# KiCad board Batch 1.kicad_pcb (continued)
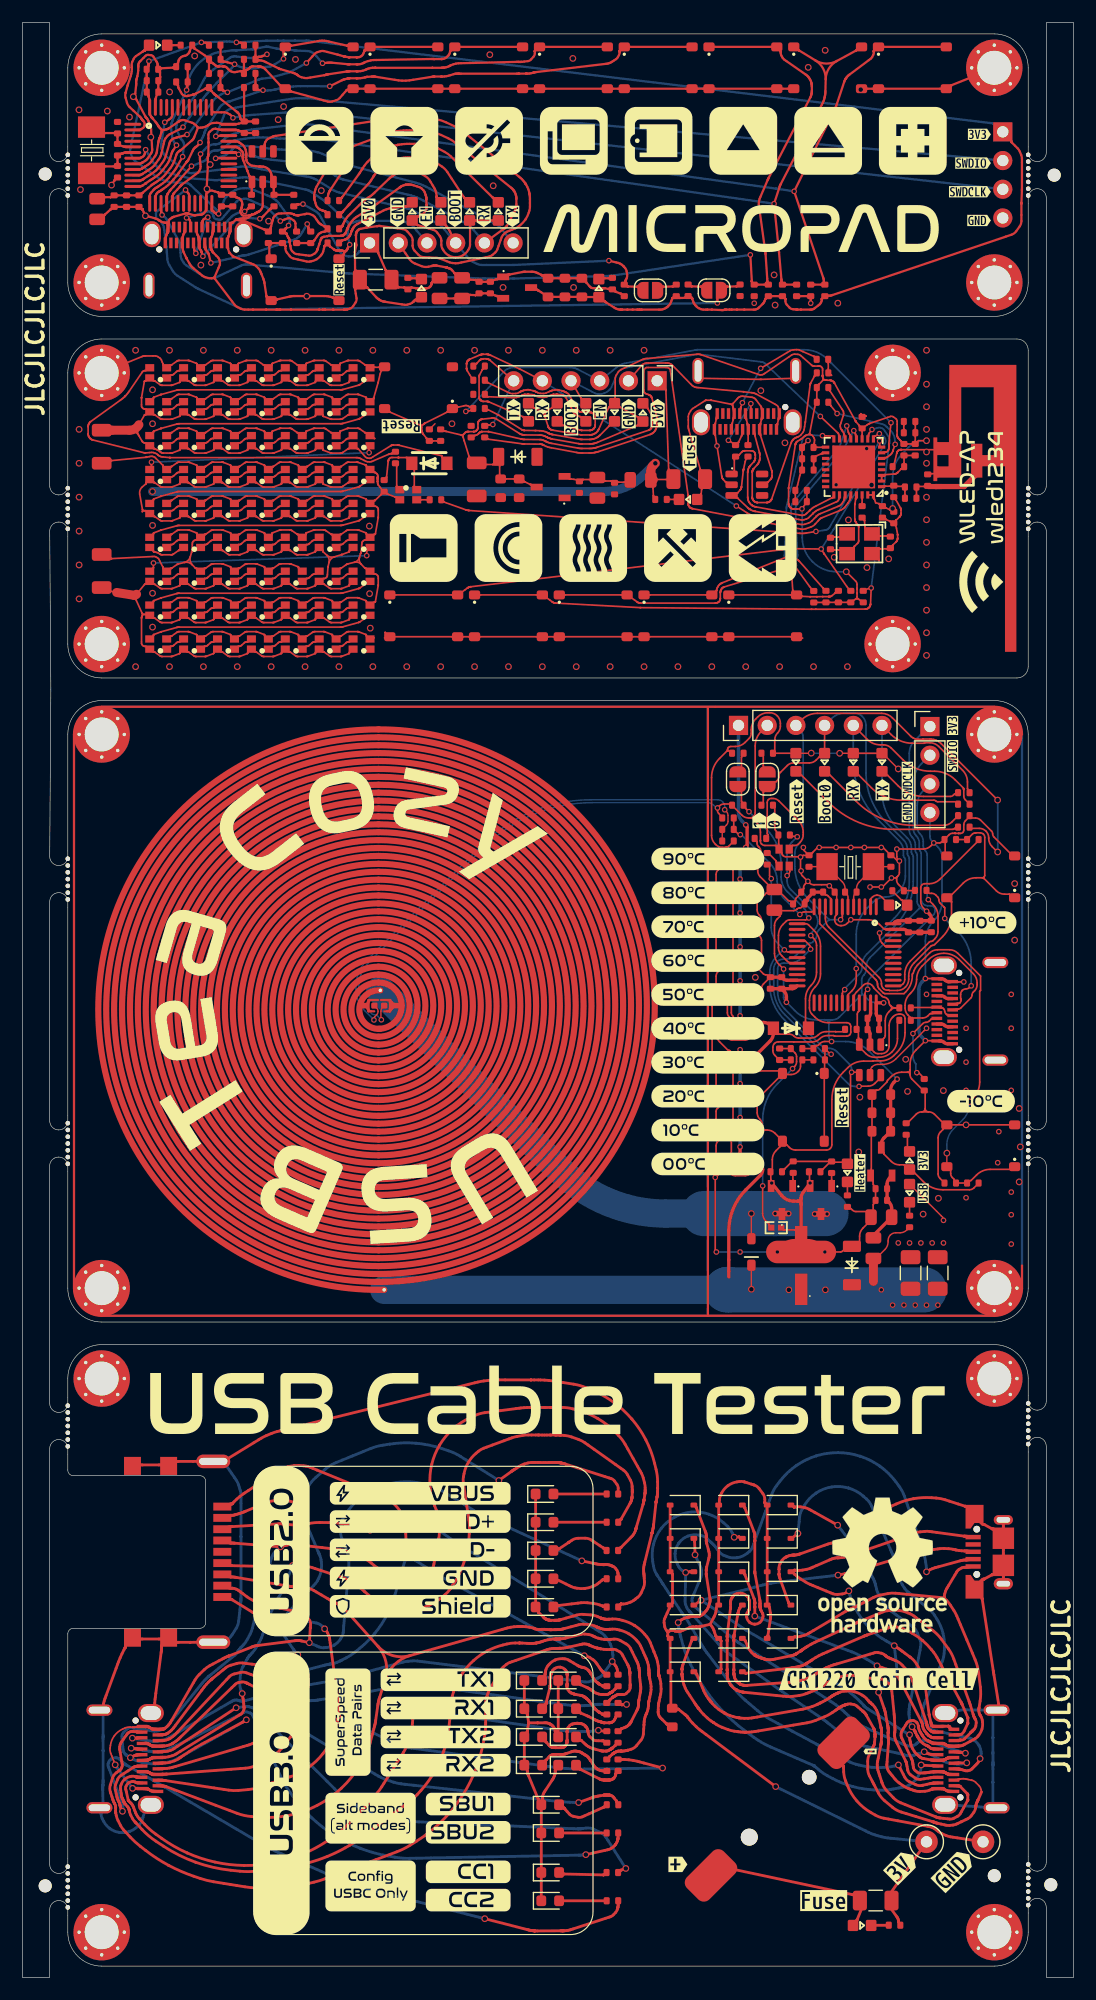
[diagram p0: board, top side]
## Routing (per net, layer and track width the routed paths; a pad name or vN(x,y) marks a point on that pad's centre or on a via; arc(x,y) is an arc through that point) (continued)
Net-(D25-K): length 43.4
  Top w0.25: v1(79.52,18.8) 79.53,18.8 arc(79.54,18.8) 79.55,18.8 79.56,18.79 arc(79.59,18.79) 79.62,18.78 79.67,18.78 arc(79.69,18.77) 79.72,18.77 79.8,18.77 80.52,18.73 arc(80.53,18.73) 80.54,18.73 arc(80.55,18.73) 80.56,18.73 80.61,18.73 arc(80.67,18.73) 80.74,18.73 J12.A5 ; v1(58.02,31.41) 58.12,31.51 arc(58.22,31.59) 58.32,31.65 58.55,31.77 arc(58.66,31.82) 58.78,31.86 59.07,31.91 arc(59.11,31.92) 59.15,31.92 59.23,31.93 arc(59.27,31.93) 59.31,31.93 59.67,31.93 arc(59.7,31.93) 59.72,31.94 59.78,31.94 arc(59.81,31.95) 59.83,31.96 59.95,31.99 arc(60.01,32.01) 60.06,32.04 60.15,32.1 arc(60.2,32.13) 60.24,32.17 60.51,32.46 arc(60.54,32.5) 60.57,32.55 60.63,32.64 arc(60.66,32.69) 60.68,32.75 60.82,33.17 arc(60.83,33.22) 60.84,33.27 60.85,33.36 arc(60.85,33.41) 60.85,33.46 60.82,33.6 60.52,35.55 60.51,35.6 arc(60.51,35.61) 60.51,35.63 60.51,35.66 arc(60.51,35.68) 60.51,35.69 60.51,35.99 arc(60.51,36.01) 60.51,36.03 arc(60.51,36.05) 60.51,36.07 60.51,36.07 arc(60.51,36.09) 60.51,36.12 60.51,36.12 arc(60.51,36.14) 60.52,36.16 60.52,36.19 arc(60.52,36.21) 60.52,36.22 60.53,36.25 arc(60.53,36.26) 60.53,36.27 60.54,36.32 60.75,37.18 arc(60.77,37.26) 60.77,37.34 60.77,37.5 arc(60.76,37.57) 60.75,37.65 60.53,38.47 arc(60.52,38.49) 60.52,38.52 60.51,38.58 arc(60.51,38.6) 60.51,38.63 60.51,38.94 arc(60.51,38.96) 60.51,38.99 60.51,39.01 arc(60.51,39.01) 60.51,39.02 60.51,39.07 arc(60.51,39.12) 60.51,39.17 60.49,39.26 arc(60.48,39.31) 60.47,39.36 60.42,39.49 59.62,41.57 arc(59.62,41.58) 59.62,41.58 59.62,41.58
  Bottom w0.25: v1(79.52,18.8) 79.52,18.62 arc(79.51,18.45) 79.46,18.28 79.4,18.11 arc(79.26,17.8) 79.06,17.51 arc(78.81,17.26) 78.52,17.06 78.37,16.97 arc(78.21,16.9) 78.04,16.85 76.8,16.63 arc(76.32,16.57) 75.84,16.57 75.36,16.59 arc(74.4,16.69) 73.46,16.89 arc(72.55,17.2) 71.67,17.61 71.25,17.84 arc(70.84,18.09) 70.46,18.38 70.08,18.71 arc(70.07,18.72) 70.07,18.72 arc(70.07,18.72) 70.06,18.72 70.05,18.73 arc(70.05,18.73) 70.05,18.73 66.21,20.39 arc(65.44,20.78) 64.71,21.25 64.01,21.76 arc(62.68,22.86) 61.47,24.1 arc(60.41,25.47) 59.52,26.95 59.11,27.72 arc(58.74,28.5) 58.47,29.32 58.23,30.23 58.19,30.34 arc(58.16,30.48) 58.13,30.63 58.08,30.93 arc(58.05,31.07) 58.04,31.22 v1(58.02,31.41)
Net-(D26-K): length 61.2
  Top w0.25: 83.45,41.69 83.45,41.69 arc(83.44,41.69) 83.44,41.69 83.43,41.69 arc(83.42,41.69) 83.42,41.7 arc(83.41,41.7) 83.41,41.7 81.65,42.27 arc(81.26,42.37) 80.86,42.42 80.45,42.45 arc(79.65,42.46) 78.85,42.37 arc(78.07,42.18) 77.31,41.89 76.94,41.73 arc(76.59,41.54) 76.26,41.31 75.3,40.56 73.28,38.97 72.98,38.74 arc(72.88,38.67) 72.77,38.62 72.53,38.53 arc(72.41,38.5) 72.28,38.49 72.01,38.49 arc(71.89,38.48) 71.78,38.47 71.54,38.42 arc(71.43,38.4) 71.31,38.36 68.82,37.48 arc(68.79,37.48) 68.77,37.47 arc(68.74,37.46) 68.72,37.45 68.63,37.42 arc(68.58,37.41) 68.54,37.4 68.44,37.39 arc(68.39,37.38) 68.35,37.38 68.31,37.38 arc(68.3,37.38) 68.29,37.38 arc(68.28,37.38) 68.27,37.38 arc(68.26,37.38) 68.24,37.37 68.09,37.37 arc(68.02,37.36) 67.95,37.35 67.81,37.31 arc(67.74,37.28) 67.67,37.25 67.44,37.13 arc(67.31,37.03) 67.21,36.9 67.04,36.61 arc(66.97,36.46) 66.95,36.29 66.95,36.13 66.95,35.69 arc(66.95,35.69) 66.95,35.69 66.95,35.69 arc(66.95,35.68) 66.95,35.68 66.95,35.64 arc(66.95,35.6) 66.96,35.57 66.97,35.49 arc(66.98,35.46) 66.99,35.42 67.03,35.31 67.79,33.18 arc(67.79,33.17) 67.79,33.17 67.79,33.17 ; 86.8,36.05 86.8,36.88 ; 86.8,36.05 J10.6 ; 86.8,36.05 arc(86.69,36.21) 86.51,36.18 ; 86.8,36.88 86.8,38.45 ; 86.8,36.88 arc(86.72,36.5) 86.51,36.18 ; 85.05,35.24 85.06,35.24 arc(85.07,35.24) 85.07,35.24 85.09,35.25 arc(85.1,35.25) 85.1,35.25 arc(85.11,35.26) 85.12,35.26 85.78,35.62 arc(85.79,35.63) 85.8,35.63 arc(85.8,35.63) 85.81,35.64 85.83,35.64 arc(85.83,35.64) 85.84,35.64 85.91,35.64 arc(85.97,35.65) 86.02,35.69 86.51,36.18 ; 86.8,38.45 86.8,39.28 ; 86.8,38.45 arc(86.72,38.84) 86.51,39.16 ; 86.8,39.28 J10.6 ; 86.8,39.28 arc(86.69,39.12) 86.51,39.16 ; 85.05,40.09 85.06,40.09 arc(85.07,40.09) 85.07,40.09 85.09,40.09 arc(85.1,40.08) 85.1,40.08 arc(85.11,40.08) 85.12,40.07 85.78,39.71 arc(85.79,39.71) 85.8,39.7 arc(85.8,39.7) 85.81,39.7 85.83,39.69 arc(85.83,39.69) 85.84,39.69 85.91,39.69 arc(85.97,39.68) 86.02,39.65 86.51,39.16 ; 84.93,33.52 84.93,33.51 arc(84.93,33.51) 84.93,33.51 84.93,33.5 arc(84.93,33.5) 84.93,33.5 arc(84.93,33.5) 84.93,33.5 85.91,27.15 arc(85.91,27.11) 85.92,27.08 85.92,27.05 arc(85.92,27.04) 85.92,27.04 arc(85.92,27.03) 85.93,27.03 85.94,26.95 arc(85.95,26.87) 85.97,26.79 86.38,24.19 arc(86.4,24.1) 86.41,24.01 arc(86.42,23.91) 86.43,23.82 86.44,23.78 arc(86.41,23.69) 86.33,23.65 J12.S1
  Bottom w0.25: J12.S1 81.82,15.27 arc(82,15.27) 82.17,15.26 85.13,15.06 85.25,15.05 arc(85.29,15.05) 85.33,15.05 85.41,15.04 arc(85.45,15.03) 85.49,15.02 85.54,15.02 arc(85.55,15.01) 85.56,15.01 86.04,15.01 arc(85.92,15.06) 85.87,15.18 85.87,17.26 85.87,18.48 arc(85.88,18.59) 85.88,18.69 85.88,18.79 arc(85.88,18.8) 85.88,18.81 85.89,18.85 arc(85.89,18.88) 85.89,18.9 85.89,18.95 arc(85.89,18.98) 85.89,19 85.89,19.08 85.88,19.81 arc(85.88,19.84) 85.88,19.86 arc(85.87,19.89) 85.87,19.92 85.87,21.21 85.87,23.49 arc(85.92,23.61) 86.04,23.65 85.88,23.65 arc(85.55,23.65) 85.23,23.66 83.86,23.67 83.29,23.68 arc(83.11,23.67) 82.92,23.64 82.55,23.58 arc(82.37,23.53) 82.19,23.47 82.03,23.4 arc(82.02,23.4) 82.01,23.4 arc(82,23.39) 81.99,23.39 J12.S1
Net-(D27-A): length 4
  Top w0.25: 51.42,40.28 47.42,40.28
Net-(D28-K): length 77.4
  Top w0.25: v1(79.8,19.97) 79.8,19.96 arc(79.81,19.96) 79.81,19.96 79.88,19.91 arc(79.95,19.87) 80.03,19.84 80.19,19.78 arc(80.27,19.76) 80.35,19.75 80.44,19.74 arc(80.45,19.74) 80.46,19.74 80.47,19.74 arc(80.48,19.74) 80.49,19.74 arc(80.5,19.73) 80.51,19.73 80.52,19.73 arc(80.55,19.73) 80.58,19.73 80.61,19.73 arc(80.67,19.73) 80.74,19.73 J12.A7 ; J10.2 83.64,36.95 arc(83.57,36.94) 83.51,36.94 83.4,36.94 arc(83.35,36.94) 83.3,36.94 83.21,36.92 arc(83.16,36.91) 83.11,36.9 82.97,36.86 81.05,36.34 80.72,36.25 arc(80.62,36.21) 80.51,36.17 80.31,36.08 arc(80.21,36.03) 80.11,35.97 80.02,35.91 arc(80.02,35.91) 80.01,35.9 v1(80,35.89) ; J12.B7 82.71,18.98 arc(82.77,18.98) 82.84,18.98 83.46,18.98 arc(83.47,18.98) 83.48,18.98 83.51,18.98 arc(83.52,18.98) 83.53,18.98 83.54,18.98 arc(83.55,18.99) 83.55,18.99 v1(83.56,18.99) ; 59.11,35.9 59.11,35.9 arc(59.11,35.9) 59.1,35.9 59.1,35.9 arc(59.1,35.9) 59.1,35.9 arc(59.09,35.9) 59.09,35.9 58.82,35.86 arc(58.78,35.85) 58.73,35.84 58.69,35.84 arc(58.69,35.84) 58.69,35.84 v1(58.69,35.84)
  Bottom w0.25: v1(83.56,18.99) 83.56,18.99 arc(83.55,18.99) 83.55,18.99 83.27,18.92 arc(82.98,18.87) 82.68,18.88 82.09,18.95 arc(81.81,19.01) 81.53,19.12 80.04,19.88 arc(80.01,19.9) 79.98,19.91 79.91,19.94 arc(79.88,19.95) 79.85,19.96 79.82,19.96 arc(79.81,19.96) 79.81,19.97 v1(79.8,19.97) 79.7,19.92 arc(79.65,19.9) 79.59,19.88 79.48,19.84 arc(79.42,19.82) 79.36,19.8 79.29,19.79 arc(79.28,19.78) 79.27,19.78 79.26,19.78 arc(79.23,19.77) 79.21,19.76 78.9,19.67 arc(78.76,19.64) 78.61,19.63 78.32,19.64 arc(78.18,19.65) 78.04,19.69 77.86,19.75 arc(77.84,19.75) 77.83,19.76 arc(77.81,19.76) 77.8,19.77 77.77,19.78 arc(77.76,19.78) 77.74,19.78 arc(77.73,19.79) 77.71,19.79 75.29,20.31 74.45,20.49 arc(74.18,20.56) 73.92,20.67 73.41,20.91 arc(73.16,21.04) 72.93,21.21 72.27,21.73 71.13,22.64 arc(71.07,22.68) 71.02,22.72 70.91,22.8 arc(70.85,22.84) 70.8,22.88 70.63,22.99 67.23,25.3 arc(67.13,25.36) 67.04,25.43 arc(66.94,25.49) 66.85,25.56 62.65,28.54 62.36,28.74 arc(62.27,28.82) 62.18,28.89 62.01,29.05 arc(61.92,29.13) 61.84,29.21 61.61,29.48 59.1,32.32 arc(59.08,32.34) 59.06,32.36 59.05,32.38 arc(59.04,32.39) 59.04,32.39 58.93,32.5 arc(58.85,32.61) 58.78,32.74 58.68,33 arc(58.64,33.13) 58.63,33.27 58.64,33.69 v1(58.69,35.84) 58.68,35.84 arc(58.67,35.84) 58.66,35.85 58.44,35.97 arc(58.24,36.12) 58.09,36.32 57.97,36.54 arc(57.79,37.01) 57.75,37.51 arc(57.85,38) 58.08,38.44 arc(58.43,38.8) 58.87,39.05 arc(59.35,39.17) 59.85,39.14 60.11,39.09 arc(60.34,39.01) 60.55,38.86 61.14,38.3 arc(61.19,38.25) 61.24,38.19 61.35,38.08 arc(61.4,38.02) 61.44,37.96 61.65,37.67 arc(61.83,37.49) 62.04,37.37 62.27,37.27 arc(62.75,37.14) 63.24,37.14 arc(63.71,37.28) 64.13,37.54 64.33,37.69 arc(64.49,37.87) 64.61,38.09 64.87,38.81 65.76,41.27 66.27,42.68 arc(66.47,43.13) 66.74,43.54 67.05,43.93 arc(67.71,44.67) 68.47,45.29 arc(69.32,45.79) 70.24,46.15 arc(71.2,46.37) 72.18,46.44 arc(73.16,46.36) 74.12,46.13 arc(75.03,45.75) 75.88,45.24 arc(76.63,44.6) 77.28,43.86 77.58,43.46 arc(77.84,43.05) 78.04,42.59 78.53,41.18 79.38,38.71 79.67,37.9 arc(79.75,37.62) 79.82,37.34 79.92,36.78 arc(79.97,36.49) 79.99,36.21 80,35.93 arc(80,35.92) 80,35.91 v1(80,35.89)
Net-(D29-K): length 44.9
  Top w0.15: J12.B10 82.79,17.53 arc(82.82,17.53) 82.86,17.53 82.9,17.53 arc(82.9,17.53) 82.91,17.53 82.91,17.53 arc(82.91,17.53) 82.92,17.54 arc(82.92,17.54) 82.92,17.54 82.93,17.54 arc(82.93,17.54) 82.94,17.54 83,17.56 arc(83.07,17.57) 83.14,17.58 83.27,17.58 arc(83.34,17.58) 83.41,17.57 83.69,17.51 84.01,17.45 arc(84.2,17.38) 84.35,17.26 84.64,16.97 arc(84.76,16.81) 84.83,16.62 84.87,16.43 arc(84.87,16.42) 84.87,16.42 arc(84.87,16.41) 84.87,16.41
  Top w0.25: 84.87,16.41 84.57,15.71 arc(84.56,15.7) 84.56,15.69 arc(84.55,15.68) 84.54,15.67 84.53,15.64 arc(84.53,15.63) 84.52,15.62 84.52,15.61 arc(84.51,15.61) 84.51,15.6 arc(84.51,15.59) 84.5,15.59 84.48,15.55 arc(84.46,15.5) 84.44,15.45 84.4,15.34 arc(84.39,15.29) 84.38,15.24 84.37,15.19 arc(84.37,15.18) 84.37,15.18 arc(84.37,15.18) 84.37,15.18 84.36,15.17 arc(84.36,15.16) 84.36,15.16 84.33,14.96 arc(84.28,14.78) 84.18,14.61 83.95,14.29 arc(83.81,14.15) 83.65,14.04 83.05,13.76 82.64,13.56 arc(82.5,13.51) 82.35,13.48 82.04,13.45 arc(81.89,13.45) 81.74,13.47 80.99,13.64 80.9,13.66 arc(80.87,13.67) 80.84,13.68 80.78,13.7 arc(80.75,13.71) 80.72,13.72 80.66,13.74 arc(80.65,13.74) 80.63,13.75 80.6,13.76 arc(80.58,13.77) 80.56,13.77 80.51,13.79 79.06,14.23 77.77,14.63 arc(77.36,14.8) 77,15.05 76.3,15.63 arc(75.99,15.94) 75.75,16.31 75.22,17.31 74.95,17.83 arc(74.84,18.13) 74.8,18.45 74.79,19.11 arc(74.83,19.44) 74.94,19.74 75.34,20.53 arc(75.36,20.56) 75.37,20.59 75.39,20.66 arc(75.4,20.69) 75.4,20.73 75.41,20.83 75.44,21.28 arc(75.44,21.28) 75.44,21.29 arc(75.44,21.29) 75.44,21.3 75.44,21.31 arc(75.44,21.31) 75.44,21.31 arc(75.44,21.32) 75.44,21.32 75.44,21.46 arc(75.44,21.46) 75.44,21.47 75.44,21.49 arc(75.44,21.5) 75.44,21.5 75.44,21.52 arc(75.44,21.52) 75.44,21.53 arc(75.44,21.53) 75.44,21.54 75.41,21.8 arc(75.41,21.82) 75.4,21.84 75.39,21.88 arc(75.39,21.9) 75.38,21.91 75.34,22 arc(75.34,22.01) 75.33,22.02 arc(75.33,22.02) 75.33,22.03 75.32,22.04 arc(75.32,22.04) 75.32,22.05 arc(75.32,22.05) 75.31,22.06 74.64,23.26 arc(74.62,23.29) 74.6,23.32 74.56,23.37 arc(74.54,23.4) 74.51,23.42 74.41,23.52 arc(74.4,23.53) 74.38,23.54 74.37,23.55 arc(74.37,23.56) 74.36,23.56 74.36,23.56 arc(74.35,23.57) 74.35,23.57 arc(74.34,23.58) 74.33,23.58 73.83,24.02 arc(73.71,24.09) 73.58,24.14 73.31,24.2 arc(73.17,24.21) 73.03,24.19 72.82,24.12 arc(72.82,24.12) 72.81,24.12 arc(72.8,24.12) 72.79,24.11 72.7,24.08 arc(72.67,24.07) 72.65,24.06 72.6,24.04 arc(72.57,24.03) 72.55,24.02 72.36,23.92 arc(72.35,23.91) 72.33,23.9 72.31,23.88 arc(72.29,23.87) 72.28,23.86 72.25,23.84 arc(72.23,23.83) 72.22,23.82 72.14,23.77 arc(72.09,23.73) 72.04,23.7 71.66,23.43 arc(71.31,23.22) 70.95,23.05 70.19,22.75 arc(69.81,22.62) 69.42,22.53 68.21,22.33 65.11,21.81 64.76,21.75 arc(64.65,21.73) 64.53,21.72 64.29,21.7 arc(64.18,21.7) 64.06,21.7 63.85,21.7 arc(63.77,21.7) 63.69,21.71 63.53,21.72 arc(63.44,21.73) 63.36,21.74 63.29,21.75 arc(63.28,21.75) 63.28,21.75 arc(63.27,21.75) 63.27,21.75 62.99,21.79 arc(62.7,21.85) 62.43,21.93 61.89,22.14 arc(61.63,22.25) 61.38,22.4 61.14,22.56 arc(61.14,22.56) 61.13,22.56 arc(61.13,22.57) 61.12,22.57 60.94,22.69 arc(60.76,22.82) 60.59,22.97 60.27,23.28 arc(60.11,23.44) 59.97,23.61 59.84,23.79 arc(59.83,23.8) 59.83,23.8 59.8,23.84 arc(59.79,23.85) 59.78,23.86 59.74,23.91 arc(59.71,23.95) 59.68,23.99 59.62,24.07 arc(59.59,24.12) 59.56,24.16 59.04,24.95 58.79,25.34 arc(58.71,25.47) 58.65,25.61 58.53,25.9 arc(58.48,26.04) 58.45,26.19 58.37,26.64 arc(58.37,26.67) 58.37,26.69 58.36,26.75 arc(58.36,26.77) 58.36,26.8 58.36,26.83 arc(58.36,26.83) 58.36,26.83 58.36,26.84 arc(58.36,26.84) 58.36,26.84 58.36,27.26 arc(58.36,27.26) 58.36,27.26 58.36,27.27 arc(58.36,27.27) 58.36,27.27 58.36,27.32 arc(58.36,27.36) 58.37,27.4 58.38,27.49 arc(58.39,27.53) 58.4,27.57 59.2,29.77 arc(59.2,29.78) 59.2,29.78 59.2,29.78
Net-(D30-A): length 3.4
  Top w0.25: 49.38,25.91 49.38,25.91 arc(49.38,25.9) 49.38,25.9 49.38,25.9 arc(49.39,25.9) 49.39,25.9 50.03,25.62 arc(50.07,25.6) 50.11,25.58 50.19,25.54 arc(50.23,25.51) 50.26,25.49 50.55,25.27 arc(50.65,25.21) 50.76,25.16 50.99,25.08 arc(51.11,25.05) 51.23,25.04 51.35,25.03 arc(51.36,25.03) 51.36,25.03 51.37,25.03 arc(51.38,25.03) 51.4,25.03 51.68,25.03 arc(51.71,25.03) 51.75,25.04 51.81,25.06 arc(51.85,25.07) 51.88,25.09 52,25.18 arc(52.01,25.18) 52.02,25.19 52.04,25.2 arc(52.05,25.21) 52.07,25.21 52.07,25.22 arc(52.08,25.22) 52.08,25.22 arc(52.08,25.22) 52.09,25.22 arc(52.09,25.23) 52.09,25.23 52.1,25.23 arc(52.1,25.23) 52.11,25.23 arc(52.11,25.24) 52.11,25.24 52.15,25.26 arc(52.15,25.26) 52.16,25.27 arc(52.16,25.27) 52.17,25.27 52.18,25.28 arc(52.18,25.28) 52.19,25.29 52.2,25.3 arc(52.21,25.31) 52.22,25.31 arc(52.23,25.32) 52.24,25.33 52.44,25.52 arc(52.44,25.52) 52.44,25.52 52.44,25.52 arc(52.44,25.52) 52.44,25.53
Net-(D31-A): length 3.5
  Top w0.25: 47.92,9.15 47.92,9.15 arc(47.92,9.15) 47.92,9.15 51.41,9.07 arc(51.41,9.07) 51.41,9.07 arc(51.42,9.07) 51.42,9.07 51.42,9.07
Net-(D32-A): length 3.5
  Top w0.25: 51.42,12.78 47.92,12.78
Net-(D33-A): length 4
  Top w0.25: 47.91,14.98 47.91,14.98 arc(47.92,14.98) 47.92,14.98 47.92,14.98 arc(47.92,14.98) 47.93,14.98 47.93,14.98 arc(47.93,14.98) 47.93,14.98 arc(47.93,14.98) 47.93,14.97 47.93,14.97 arc(47.93,14.97) 47.93,14.97 47.94,14.97 arc(47.94,14.97) 47.94,14.96 arc(47.94,14.96) 47.94,14.96 48.39,14.46 arc(48.55,14.33) 48.74,14.26 49.15,14.17 arc(49.35,14.16) 49.55,14.21 51.43,15.07 arc(51.43,15.07) 51.43,15.07 51.44,15.07 arc(51.44,15.07) 51.44,15.07
Net-(D34-A): length 3.5
  Top w0.25: 51.42,6.78 47.92,6.78
Net-(J2-D+-PadA6): length 31.2
  Top w0.15: J8.A6 80.55,85.31 arc(80.51,85.3) 80.47,85.3 80.38,85.3 arc(80.33,85.29) 80.28,85.26 80.13,85.11 arc(79.91,84.96) 79.66,84.91 78.88,84.91 ; R40.1 64.21,135.77 arc(64.21,135.81) 64.21,135.84 64.21,136.56 arc(64.21,136.6) 64.21,136.64 64.22,136.8 arc(64.21,137) 64.19,137.2 64.16,137.36 arc(64.15,137.4) 64.15,137.44 64.15,137.48 arc(64.15,137.49) 64.15,137.5 64.15,137.52 arc(64.15,137.53) 64.14,137.54 arc(64.14,137.54) 64.14,137.55 64.06,137.85 arc(64.06,137.85) 64.06,137.86 arc(64.05,137.87) 64.05,137.88 64.05,137.9 arc(64.05,137.91) 64.05,137.92 64.05,137.96 arc(64.05,138) 64.04,138.04 J4.B6 ; J8.B6 82.6,85.68 arc(82.71,85.69) 82.83,85.7 arc(82.93,85.72) 83.02,85.78 83.92,86.68 arc(84,86.79) 84.03,86.93 arc(84.05,87.07) 84.13,87.19 84.25,87.31 arc(84.42,87.56) 84.48,87.86 84.48,88.01 arc(84.39,88.45) 84.14,88.83 82.9,90.07 arc(82.27,90.49) 81.54,90.64 arc(80.8,90.49) 80.18,90.07 79.61,89.5 arc(79.25,88.97) 79.12,88.33 arc(79,87.69) 78.64,87.15 78.52,87.04 arc(78.21,86.57) 78.1,86.02 78.1,85.78 arc(78.17,85.45) 78.36,85.17 78.53,84.99 arc(78.59,84.91) 78.61,84.81 R74.1
  Top w0.2: R1.1 21.96,156.53 arc(21.95,156.53) 21.95,156.53 arc(21.95,156.53) 21.95,156.53 21.92,156.51 arc(21.9,156.49) 21.89,156.48 21.85,156.44 arc(21.84,156.43) 21.82,156.41 21.32,155.89 21.26,155.82 arc(21.23,155.79) 21.2,155.77 21.12,155.71 arc(21.09,155.69) 21.05,155.67 v2(21,155.64) ; J1.A6 15.42,154.58 arc(15.42,154.53) 15.43,154.48 15.43,154.4 arc(15.43,154.37) 15.43,154.35 15.44,154.3 arc(15.45,154.28) 15.46,154.25 15.55,154.11 arc(15.55,154.09) 15.56,154.07 15.57,154.03 arc(15.57,154.01) 15.57,154 15.57,153.93 arc(15.58,153.88) 15.58,153.83 15.67,153.18 arc(15.67,153.13) 15.68,153.08 15.68,153.02 arc(15.68,153.01) 15.68,153 15.68,152.99 arc(15.68,152.98) 15.69,152.98 arc(15.69,152.97) 15.7,152.96 15.77,152.85 arc(15.78,152.83) 15.79,152.82 15.81,152.78 arc(15.82,152.76) 15.82,152.74 15.83,152.72 arc(15.83,152.72) 15.83,152.71 15.84,152.69 arc(15.85,152.66) 15.86,152.63 v2(15.96,152.32)
  Bottom w0.2: v2(21,155.64) 19.76,155.72 19.51,155.74 arc(19.38,155.73) 19.26,155.7 19.03,155.6 arc(18.92,155.55) 18.83,155.46 18.66,155.28 16,152.36 arc(15.99,152.35) 15.97,152.33 15.96,152.32 arc(15.96,152.32) 15.96,152.32 v2(15.96,152.32)
Net-(J2-D--PadA7): length 20.9
  Top w0.15: J8.B7 81.95,85.19 arc(81.91,85.2) 81.87,85.2 81.82,85.2 arc(81.8,85.2) 81.78,85.21 81.7,85.3 arc(81.63,85.39) 81.61,85.5 arc(81.59,85.61) 81.53,85.7 81.45,85.78 arc(81.43,85.8) 81.41,85.8 81.35,85.8 arc(81.31,85.8) 81.28,85.81 81.11,85.84 arc(80.91,85.86) 80.71,85.86 80.55,85.84 arc(80.51,85.84) 80.47,85.84 78.88,85.84 ; J4.A7 63.66,136.64 arc(63.65,136.6) 63.65,136.56 63.65,136.54 arc(63.65,136.52) 63.65,136.51 arc(63.65,136.49) 63.65,136.48 63.64,136.45 arc(63.64,136.43) 63.63,136.42 63.36,135.86 arc(63.36,135.86) 63.36,135.86 arc(63.36,135.86) 63.36,135.86 arc(63.36,135.86) 63.36,135.85 63.23,135.73 arc(63.1,135.67) 62.95,135.71 62.95,135.71 arc(62.8,135.82) 62.65,135.92 v2(62.47,136.03) ; v2(64.45,139.27) 64.45,138.84 arc(64.45,138.8) 64.45,138.76 J4.B7
  Top w0.2: v2(16.39,155.78) 16.07,155.63 arc(16.04,155.61) 16.02,155.59 15.98,155.54 arc(15.96,155.51) 15.95,155.48 15.93,155.4 arc(15.93,155.4) 15.93,155.4 arc(15.93,155.4) 15.93,155.39 15.93,155.39 arc(15.93,155.38) 15.92,155.38 15.92,155.33 arc(15.92,155.28) 15.92,155.23 J1.A7 ; R11.1 19.96,156.53 arc(19.95,156.53) 19.95,156.53 arc(19.95,156.53) 19.95,156.53 v2(19.65,156.29) ; v2(15.33,152.58) 15.33,152.59 arc(15.33,152.59) 15.32,152.6 15.32,152.6 arc(15.31,152.62) 15.3,152.63 15.29,152.66 arc(15.28,152.67) 15.27,152.68 15.22,152.8 arc(15.2,152.83) 15.2,152.87 15.18,152.93 arc(15.18,152.96) 15.17,152.99 15.17,153.08 arc(15.17,153.13) 15.17,153.18 J1.B7
  Bottom w0.15: v2(64.45,139.27) v2(62.47,136.03)
  Bottom w0.2: v2(19.65,156.29) 19.08,156.15 arc(18.97,156.12) 18.87,156.07 18.67,155.96 arc(18.57,155.89) 18.49,155.82 17.98,155.29 arc(17.88,155.2) 17.76,155.15 17.63,155.11 arc(17.38,155.07) 17.12,155.1 17.12,155.1 arc(16.88,155.19) 16.67,155.34 16.57,155.43 arc(16.49,155.52) 16.44,155.64 16.4,155.76 arc(16.39,155.77) 16.39,155.77 v2(16.39,155.78) v2(15.33,152.58)
Net-(JP1-B): length 2.6
  Top w0.15: 63.62,107.18 63.62,107.98 arc(63.62,107.99) 63.63,108.01 63.65,108.02
  Top w0.2: R21.2 59.21,149.66 arc(59.22,149.66) 59.22,149.66 arc(59.22,149.66) 59.22,149.66 59.22,149.66 arc(59.22,149.66) 59.22,149.66 60.05,149.63 arc(60.05,149.63) 60.06,149.63 60.06,149.63 arc(60.06,149.63) 60.06,149.63 JP1.2
Net-(JP2-B): length 2.6
  Top w0.15: 65.58,107.18 65.57,107.19 arc(65.55,107.21) 65.55,107.23 65.55,108.02
  Top w0.2: JP2.2 56.69,149.62 arc(56.69,149.62) 56.69,149.62 56.69,149.62 arc(56.7,149.62) 56.7,149.62 57.53,149.65 arc(57.53,149.65) 57.53,149.65 arc(57.53,149.65) 57.53,149.65 arc(57.53,149.65) 57.54,149.65 R24.2
Net-(LDO1-Vin): length 18.3
  Top w0.15: LDO2.2 48.4,132.63 arc(48.43,132.62) 48.47,132.62 48.5,132.62 arc(48.5,132.61) 48.51,132.61 arc(48.51,132.61) 48.52,132.61 48.79,132.58 arc(48.96,132.55) 49.12,132.48 arc(49.28,132.44) 49.44,132.48 49.59,132.56 arc(49.6,132.56) 49.6,132.56 49.6,132.56 arc(49.6,132.56) 49.6,132.56 50.21,132.56 arc(50.24,132.56) 50.28,132.57 50.56,132.65 arc(50.87,132.68) 51.17,132.61 51.56,132.43 arc(51.56,132.43) 51.56,132.43 arc(51.56,132.43) 51.56,132.43 51.57,132.43 arc(51.57,132.43) 51.57,132.43 52.07,132.43 arc(52.07,132.43) 52.07,132.43 52.07,132.43 arc(52.07,132.43) 52.07,132.43 arc(52.07,132.43) 52.08,132.43 52.28,132.33 arc(52.39,132.29) 52.51,132.3 52.6,132.32 arc(52.64,132.33) 52.67,132.33 53.3,132.33 arc(53.34,132.33) 53.37,132.35 FB2.2
  Top w0.2: LDO1.2 42.14,148.78 arc(42.09,148.79) 42.04,148.8 41.99,148.8 arc(41.99,148.8) 41.98,148.8 41.98,148.8 arc(41.97,148.8) 41.97,148.8 41.84,148.84 arc(41.72,148.88) 41.6,148.94 41.5,148.99 arc(41.4,149.03) 41.29,149.04 40.51,149.04 arc(40.4,149.03) 40.3,148.99 40.09,148.88 arc(40.08,148.88) 40.08,148.88 arc(40.08,148.88) 40.08,148.88 40.08,148.88 arc(40.08,148.88) 40.08,148.88 39.61,148.9 arc(39.6,148.9) 39.6,148.9 39.59,148.9 arc(39.59,148.9) 39.59,148.9 arc(39.59,148.9) 39.59,148.9 39.17,148.71 arc(38.89,148.62) 38.6,148.59 FB1.2
  Top w0.3: FB3.2 75.3,65.56 arc(75.32,65.66) 75.38,65.74 C87.1 76.91,68.08 arc(76.86,68.35) 76.71,68.57 arc(76.56,68.79) 76.51,69.05 C88.1 76.51,70.21 arc(76.57,70.5) 76.73,70.74 LDO3.2
Net-(LED1-K): length 3.6
  Top w0.15: R42.2 LED13.1 ; 78.5,68.12 78.5,67.68
  Top w0.2: R15.2 34.27,150.38 arc(34.32,150.38) 34.37,150.38 34.85,150.38 arc(34.9,150.37) 34.95,150.37 LED6.1
  Top w0.25: 75.58,4.61 76.39,4.61
Net-(LED2-K): length 21
  Top w0.15: 78.31,73.58 78.31,74.3 ; LED11.1 55.33,138.85 arc(55.33,138.85) 55.33,138.85 arc(55.33,138.85) 55.33,138.85 55.68,138.23 arc(55.68,138.22) 55.69,138.21 55.7,138.18 arc(55.7,138.17) 55.71,138.16 55.72,138.1 arc(55.72,138.09) 55.72,138.08 arc(55.72,138.07) 55.72,138.06 55.72,138.05 arc(55.73,138.04) 55.73,138.03 55.73,137.37 arc(55.73,137.36) 55.72,137.35 55.72,137.34 arc(55.72,137.33) 55.72,137.32 arc(55.72,137.31) 55.72,137.3 55.7,137.24 arc(55.7,137.22) 55.7,137.21 55.68,137.18 arc(55.68,137.16) 55.67,137.15 55.62,137.07 arc(55.61,137.06) 55.6,137.05 55.57,137.03 arc(55.56,137.02) 55.55,137.01 55.48,136.96 arc(55.47,136.95) 55.46,136.95 55.44,136.94 arc(55.43,136.93) 55.42,136.93 55.4,136.92 50.89,135.43 50.84,135.41 arc(50.81,135.4) 50.78,135.39 50.72,135.38 arc(50.69,135.37) 50.66,135.36 50.53,135.34 arc(50.48,135.33) 50.44,135.32 50.34,135.31 arc(50.29,135.31) 50.25,135.31 49.46,135.31 arc(49.41,135.31) 49.37,135.31 49.29,135.32 arc(49.24,135.33) 49.2,135.33 49.12,135.35 46.83,135.76 46.74,135.78 arc(46.7,135.78) 46.65,135.8 46.57,135.82 arc(46.52,135.84) 46.48,135.86 46.37,135.91 arc(46.36,135.91) 46.35,135.91 arc(46.34,135.92) 46.33,135.92 46.33,135.93 arc(46.32,135.93) 46.3,135.94 46.28,135.95 arc(46.27,135.96) 46.26,135.96 arc(46.25,135.96) 46.24,135.97 46.23,135.97 arc(46.22,135.98) 46.2,135.99 46.07,136.05 arc(46.03,136.06) 46,136.07 45.92,136.09 arc(45.89,136.09) 45.85,136.1 45.77,136.1 44.44,136.11 44.38,136.11 arc(44.36,136.11) 44.33,136.11 44.28,136.12 arc(44.25,136.12) 44.23,136.13 44.16,136.14 arc(44.14,136.14) 44.13,136.15 arc(44.11,136.15) 44.1,136.15 41.27,136.79 arc(41.26,136.8) 41.26,136.8 41.24,136.8 arc(41.23,136.8) 41.22,136.8 40.66,136.8 arc(40.65,136.8) 40.65,136.8 40.64,136.8 arc(40.64,136.8) 40.63,136.8 arc(40.63,136.8) 40.62,136.8 40.58,136.79 arc(40.57,136.79) 40.55,136.78 40.51,136.76 arc(40.5,136.76) 40.48,136.74 40.48,136.74 arc(40.47,136.73) 40.46,136.72 40.45,136.72 arc(40.45,136.71) 40.45,136.71 arc(40.44,136.71) 40.44,136.71 40.43,136.7 arc(40.43,136.7) 40.43,136.69 arc(40.43,136.69) 40.42,136.69 40.38,136.64 arc(40.35,136.61) 40.32,136.59 40.26,136.55 arc(40.23,136.53) 40.19,136.51 40.02,136.45 arc(40.02,136.45) 40.02,136.45 arc(40.02,136.45) 40.02,136.45 arc(40.02,136.45) 40.01,136.45 R33.1
  Top w0.2: R23.1 52.03,150.38 arc(51.98,150.38) 51.93,150.38 51.45,150.38 arc(51.4,150.37) 51.35,150.37 LED7.1
Net-(LED3-A): length 11.9
  Top w0.15: U6.2 75.05,95.4 arc(75.06,95.44) 75.08,95.47 75.22,95.61 arc(75.4,95.73) 75.61,95.77 75.63,95.77 arc(75.85,95.73) 76.04,95.6 76.28,95.37
  Top w0.2: U2.2 10.24,163.5 arc(10.36,163.52) 10.48,163.57 10.67,163.69 arc(10.74,163.75) 10.78,163.84 10.8,164.04 arc(10.79,164.14) 10.75,164.22 10.64,164.33 arc(10.62,164.35) 10.61,164.37 10.58,164.41 arc(10.57,164.43) 10.55,164.45 10.55,164.46 arc(10.54,164.47) 10.54,164.47 arc(10.54,164.47) 10.53,164.48 10.52,164.5 arc(10.5,164.53) 10.48,164.56 10.44,164.61 arc(10.42,164.63) 10.4,164.66 9.8,165.21 9.47,165.53 arc(9.33,165.7) 9.24,165.91 9.12,166.35 arc(9.09,166.57) 9.11,166.79 9.28,167.39 arc(9.29,167.43) 9.3,167.47 arc(9.32,167.5) 9.33,167.54 9.57,168.26 arc(9.6,168.36) 9.62,168.47 9.65,168.68 arc(9.67,168.79) 9.67,168.89 9.67,169.01 arc(9.67,169.02) 9.67,169.02 9.67,169.04 arc(9.67,169.05) 9.67,169.05 9.67,169.06 arc(9.67,169.06) 9.67,169.07 arc(9.67,169.07) 9.67,169.08 9.65,169.23 arc(9.66,169.38) 9.7,169.52 9.84,169.81 arc(9.92,169.93) 10.03,170.03 10.29,170.21 10.63,170.44 arc(10.65,170.45) 10.67,170.46 10.7,170.48 arc(10.72,170.49) 10.74,170.5 10.77,170.51 arc(10.77,170.51) 10.78,170.51 10.78,170.52 arc(10.78,170.52) 10.78,170.52 10.78,170.52 arc(10.79,170.52) 10.79,170.52 10.79,170.52 arc(10.79,170.52) 10.79,170.52 10.79,170.53 arc(10.79,170.53) 10.79,170.53 LED1.2
